# Allegro board FMDEMOD-before-back-annote.brd (continued)
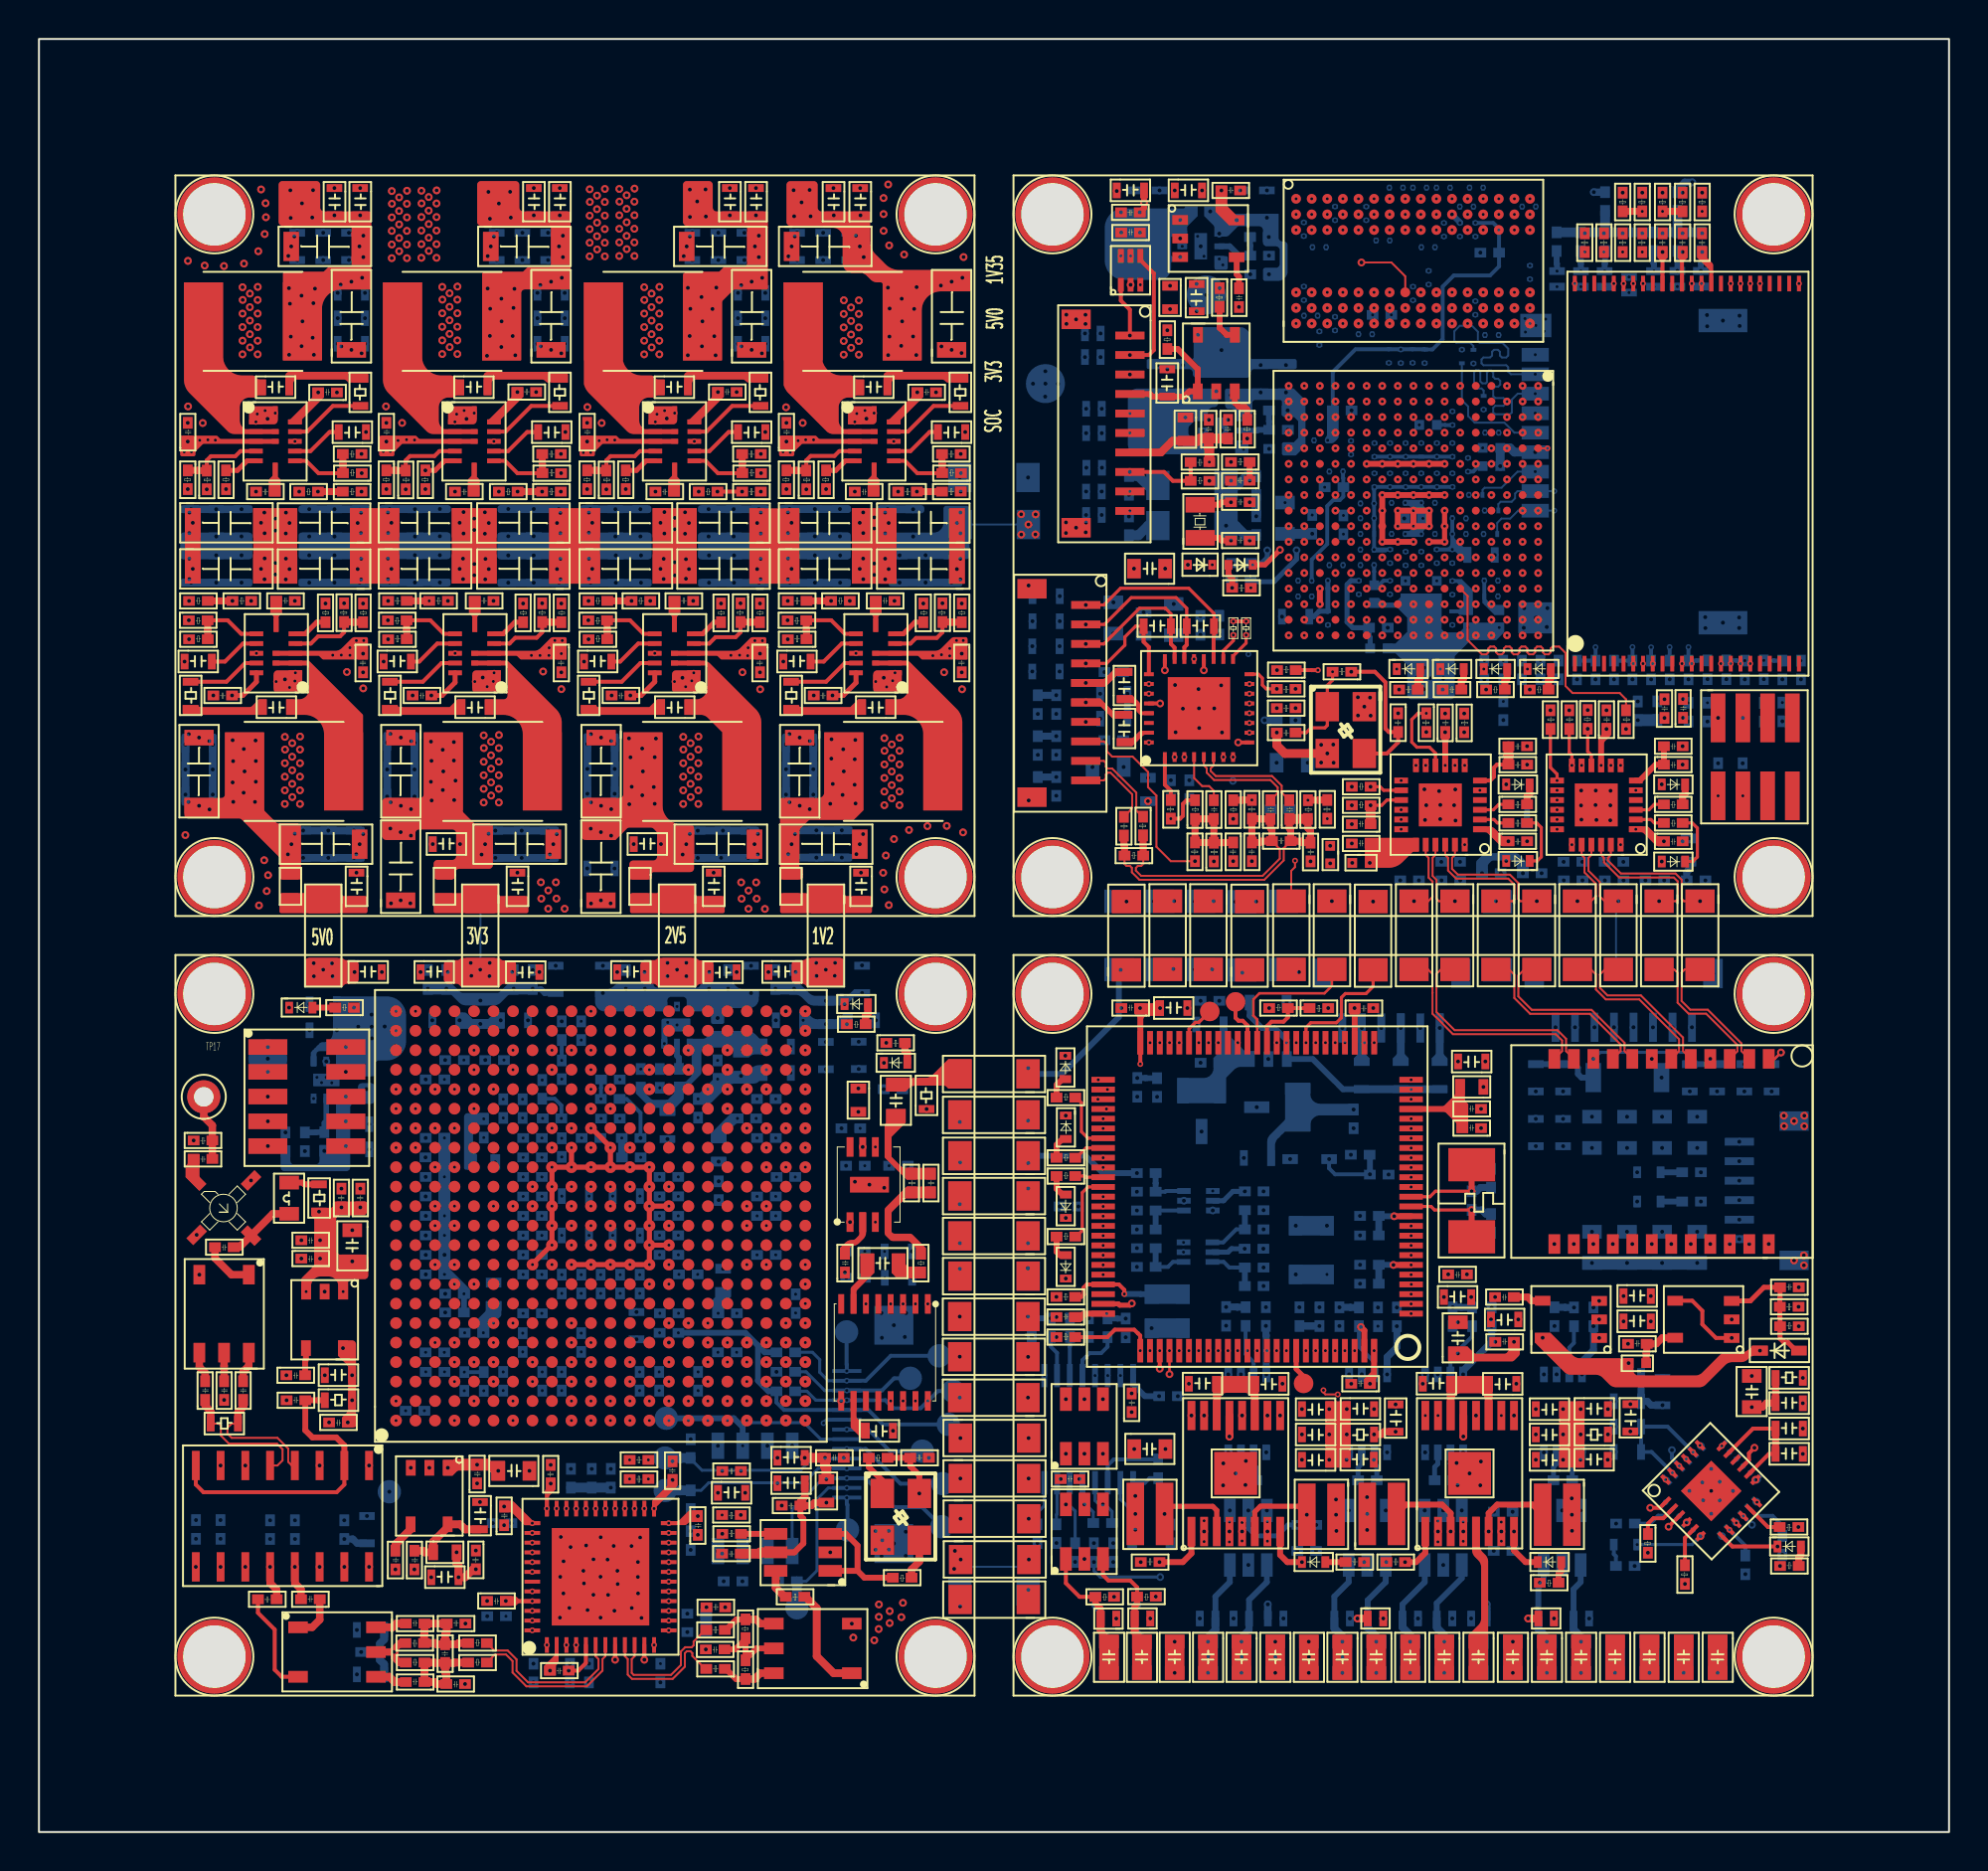
[diagram p0: board, top side]
## Copper pours and planes (outline as drawn; the poured copper is in the pictures) (continued)
NVCC_LCD on BOTTOM (solid shape): 74.26,63.25 74.56,62.95 75.17,62.95 75.17,62.45 74.67,62.45 74.06,63.06 74.06,64.35 74.26,64.35
PHY1_3V3 on TOP (solid shape): 82.47,51.6 82.55,51.58 82.61,51.54 83.01,51.14 83.08,51.1 83.15,51.08 83.67,51.08 83.67,50.58 83.08,50.58 83,50.6 82.94,50.64 82.34,51.24 82.27,51.28 82.2,51.3 81.58,51.3 81.58,51.6
PHY1_3V3 on PWR-L6: 77.59,48.78 77.59,47.55 86.89,47.55 86.89,49.1 82.62,49.1 82.33,49.39 82.33,50.27 82.6,50.55 82.61,50.54 83.53,50.54 83.77,50.79 83.77,51.36 83.24,51.89 78.41,51.89 78.41,51.47 78.3,51.36 78.3,49.49
PHY2_3V3 on TOP (solid shape): 70.8,50.31 70.58,50.31 70.51,50.29 70.44,50.25 69.96,49.77 69.63,49.55 69.25,49.48 68.03,49.48 68.03,50.45 68.02,50.47 68.02,50.99 68.03,51 68.04,51.01 70.8,51.01
PHY2_3V3 on TOP (solid shape): 74.37,51.6 74.56,51.56 74.72,51.45 75.03,51.14 75.1,51.1 75.17,51.09 75.69,51.09 75.69,50.59 75.08,50.59 75,50.6 74.94,50.64 74.34,51.24 74.27,51.28 74.2,51.3 73.58,51.3 73.58,51.6
PHY2_3V3 on BOTTOM (solid shape): 75.79,50.23 75.87,50.21 75.93,50.17 76.38,49.72 76.42,49.66 76.44,49.58 76.44,48.95 75.83,48.95 75.83,49.55 75.82,49.63 75.78,49.69 75.68,49.79 75.62,49.83 75.54,49.85 74.63,49.85 74.56,49.83 74.49,49.79 74.4,49.69 74.35,49.63 74.34,49.55 74.34,48.95 73.74,48.95 73.74,49.45 73.74,49.45 73.74,49.73 73.75,49.8 73.8,49.87 74.09,50.17 74.16,50.21 74.23,50.23
PHY2_3V3 on PWR-L6: 68.04,47.55 76.66,47.55 76.66,48.8 75.46,48.8 75.16,49.11 74.83,49.11 74.6,49.33 74.61,49.35 74.61,50.15 75.03,50.57 75.05,50.55 75.77,50.55 75.77,51.07 75.68,51.16 69.72,51.16 68.51,49.95 68.35,49.95
PT100-1 on BOTTOM (solid shape): 68.07,39.99 68.09,39.91 68.13,39.85 68.26,39.71 68.26,39.31 67.46,39.31 67.46,39.71 67.61,39.86 67.66,39.93 67.67,40 67.67,42 68.07,42
PT100-2 on BOTTOM (solid shape): 70.07,39.99 70.09,39.92 70.13,39.85 70.27,39.71 70.27,39.31 69.47,39.31 69.47,39.71 69.61,39.85 69.66,39.92 69.67,40 69.67,42 70.07,42
PT100-3 on BOTTOM (solid shape): 72.07,39.99 72.09,39.91 72.13,39.85 72.27,39.71 72.27,39.31 71.47,39.31 71.47,39.71 71.61,39.86 71.66,39.92 71.67,40 71.67,42 72.07,42
STEP1A_DRV1 on BOTTOM (solid shape): 86.64,7.82 85.64,7.82 85.64,10.12 86.64,10.12
STEP1A_DRV2 on BOTTOM (solid shape): 84.89,7.82 83.89,7.82 83.89,10.12 84.89,10.12
STEP1B_DRV1 on BOTTOM (solid shape): 81.37,7.82 80.37,7.82 80.37,10.12 81.37,10.12
STEP1B_DRV2 on BOTTOM (solid shape): 83.14,7.82 82.14,7.82 82.14,10.12 83.14,10.12
STEP2A_DRV1 on TOP (solid shape): 81.36,7.82 80.36,7.82 80.36,10.12 81.36,10.12
STEP2A_DRV2 on TOP (solid shape): 83.13,7.82 82.13,7.82 82.13,10.12 83.13,10.12
STEP2B_DRV1 on TOP (solid shape): 86.63,7.82 85.63,7.82 85.63,10.12 86.63,10.12
STEP2B_DRV2 on TOP (solid shape): 84.89,7.82 83.89,7.82 83.89,10.12 84.89,10.12
SWCLK on BOTTOM (solid shape): 59.03,25.35 56.73,25.35 56.73,26.35 59.03,26.35
SWDIO on BOTTOM (solid shape): 59.03,27.1 56.73,27.1 56.73,28.1 59.03,28.1
VCOM on TOP (solid shape): 26.66,8.75 26.64,8.68 26.6,8.61 26.52,8.53 26.52,8.03 25.92,8.03 25.92,8.53 26.4,9.01 26.44,9.08 26.46,9.15 26.46,10 26.66,10
VDPL1 on BOTTOM (solid shape): 35.5,27.45 35.21,27.16 35.16,27.09 35.15,27.02 35.15,26.37 34.55,26.37 34.55,27.22 34.56,27.29 34.61,27.36 34.7,27.45 34.7,27.95 35.5,27.95
VDPL2 on BOTTOM (solid shape): 23.07,36.29 22.47,36.29 22.33,36.23 22.27,36.09 22.27,35.06 22.28,34.98 22.33,34.92 22.46,34.78 22.46,33.98 21.91,33.98 21.84,34.01 21.81,34.08 21.81,36.69 21.87,36.83 22.01,36.89 23.07,36.89
VDPL3 on BOTTOM (solid shape): 23.73,26.57 23.71,26.5 23.67,26.43 23.16,25.92 23.12,25.86 23.1,25.78 23.1,25.37 22.5,25.37 22.5,26.23 22.52,26.31 22.56,26.37 22.87,26.68 22.91,26.75 22.93,26.82 22.93,27.24 23.73,27.24
VDPL4 on BOTTOM (solid shape): 36.14,36.36 35.87,36.36 35.79,36.35 35.73,36.31 35.33,35.91 35.29,35.84 35.27,35.77 35.27,35.35 34.47,35.35 34.47,35.85 35.46,36.83 35.49,36.86 35.53,36.86 36.14,36.86
VENET_3V3 on TOP (solid shape): 72.4,56.13 72.36,56.09 72.32,56.03 72.3,55.95 72.3,54.38 72,54.38 72,55.94 71.98,56.02 71.94,56.09 71.9,56.13 71.9,56.73 72.4,56.73
VENET_3V3 on TOP (solid shape): 80.67,56.3 80.36,55.98 80.32,55.92 80.3,55.84 80.3,54.38 80,54.38 80,56.04 80.02,56.12 80.06,56.18 80.12,56.24 80.16,56.3 80.17,56.38 80.17,56.9 80.67,56.9
VENET_3V3 on PWR-L6: 65.74,49.93 65.74,47.55 67.9,47.55 67.9,50.07 68.98,51.16 69.04,51.16 69.19,51.3 76.82,51.3 77.08,51.05 77.08,50.53 76.84,50.29 75.1,50.29 74.84,50.03 74.84,49.67 75.06,49.46 77.37,49.46 77.93,50.02 77.93,50.3 77.91,50.32 77.91,51.88 78.15,52.12 83.23,52.12 83.92,51.43 83.92,50.72 83.51,50.3 82.73,50.3 82.65,50.22 82.65,49.42 82.74,49.33 83.78,49.33 84,49.54 84,49.97 84.53,50.5 84.63,50.5 84.69,50.56 85.79,50.56 85.79,54.66 84.46,56 81.55,56 80.99,56.56 80.99,57.36 80.07,58.28 77.02,58.28 76.05,57.31 69.57,57.31 65.75,53.49 65.75,51.85 66.57,51.03 66.57,50.15 66.45,50.04 65.84,50.04
VMTR1 on TOP (solid shape): 67.3,18.7 66,18.7 66,22.1 67.3,22.1
VMTR1 on PWR-L6: 61.45,22.2 61.95,22.2 62.05,22.11 62.05,21.12 64.49,21.12 64.49,22.24 67.53,22.24 67.53,18.84 67.22,18.52 64.41,18.52 64.36,18.57 64.36,19.1 63.71,19.75 63.25,19.75 63.24,19.76 62.97,19.76 62.75,19.98 61.59,19.98 61.48,20.1 61.45,20.1 61.34,20.21 61.34,22.09
VMTR2 on TOP (solid shape): 79.3,18.7 78,18.7 78,22.1 79.3,22.1
VMTR2 on PWR-L6: 79.34,22.2 79.34,18.82 77.14,18.82 76.14,19.83 73.54,19.83 73.48,19.89 73.48,21.86 73.53,21.92 77.69,21.92 78.03,22.25 79.29,22.25
VREF_2V5 on BOTTOM (solid shape): 65.23,37.87 65.38,37.52 65.73,37.37 67.7,37.37 67.7,36.77 65.73,36.77 65.38,36.62 65.23,36.27 65.23,35.94 63.93,35.94 63.57,35.58 63.46,35.41 63.42,35.22 63.42,34.19 63.02,34.19 63.02,35.42 63.06,35.61 63.17,35.78 63.93,36.54 63.93,38.44 65.23,38.44
N01539 on TOP (solid shape): 62.6,22.6 62.58,22.58 62.58,20.62 62.18,20.62 62.18,22.24 62.09,22.45 61.88,22.54 60.93,22.54 60.72,22.45 60.63,22.24 60.63,20.62 60.23,20.62 60.23,22.53 60.22,22.57 60.2,22.6 60.2,23.4 62.6,23.4
N27735 on TOP (solid shape): 74.6,22.6 74.58,22.58 74.58,20.62 74.18,20.62 74.18,22.22 74.09,22.43 73.88,22.52 72.93,22.52 72.72,22.43 72.63,22.22 72.63,20.62 72.23,20.62 72.23,22.57 72.2,22.6 72.2,23.4 74.6,23.4
N57048 on BOTTOM (solid shape): 60.98,41.16 61.02,40.97 61.13,40.81 61.88,40.06 62.38,40.06 62.38,39.26 61.68,39.26 61.48,39.22 61.32,39.11 60.9,38.69 60.9,37.39 58.4,37.39 58.4,38.69 59.76,38.69 60.11,38.84 60.26,39.19 60.26,39.72 60.43,39.9 60.54,40.06 60.58,40.25 60.58,41.84 60.98,41.84
N57288 on BOTTOM (solid shape): 72.27,37.91 67.46,37.91 67.46,38.31 72.27,38.31
N4987405 on TOP (solid shape): 56.42,10.28 56.58,10.12 57.09,10.12 57.09,7.82 56.09,7.82 56.09,10.12 56.02,10.18 56.02,11.36 56.42,11.36
N4987412 on TOP (solid shape): 54.67,10.39 54.75,10.2 54.83,10.12 55.4,10.12 55.4,7.82 54.4,7.82 54.4,10.15 54.27,10.28 54.27,11.35 54.67,11.35
N6029558 on BOTTOM (solid shape): 57.09,7.82 56.09,7.82 56.09,10.12 57.09,10.12
N6029565 on BOTTOM (solid shape): 55.4,7.82 54.4,7.82 54.4,10.12 55.4,10.12
N6357472 on TOP (solid shape): 55.04,57.58 55.11,57.54 55.18,57.52 56.1,57.52 56.1,57.12 55.18,57.12 55.11,57.14 55.04,57.18 54.49,57.73 54.46,57.75 54.42,57.76 52.96,57.76 52.96,58.16 54.46,58.16
N6357497 on TOP (solid shape): 56.1,59.33 55.34,59.33 55.3,59.32 55.27,59.3 54.79,58.82 54.73,58.78 54.65,58.76 52.96,58.76 52.96,59.16 54.57,59.16 54.64,59.18 54.71,59.22 55.16,59.67 55.22,59.71 55.3,59.73 56.1,59.73
N7424382 on TOP (solid shape): 46.01,32.52 44.55,32.52 44.47,32.5 44.4,32.46 43.8,31.85 43.75,31.79 43.74,31.71 43.74,30.84 43.75,30.8 43.84,30.72 43.91,30.7 44.69,30.7 44.76,30.69 44.83,30.64 45.5,29.97 45.5,29.37 45,29.37 45,29.93 44.99,29.97 44.97,30 44.7,30.27 44.64,30.31 44.56,30.33 43.8,30.33 43.72,30.34 43.66,30.39 43.45,30.6 43.4,30.66 43.39,30.74 43.39,31.91 43.4,31.99 43.45,32.05 44.46,33.06 44.52,33.1 44.6,33.12 46.01,33.12
N7424390 on TOP (solid shape): 44.47,36.39 43.77,35.69 43.75,35.66 43.74,35.62 43.74,34.69 43.75,34.65 43.77,34.62 44.25,34.14 44.32,34.09 44.39,34.08 46.01,34.08 46.01,33.48 44.51,33.48 43.42,34.58 43.4,34.61 43.39,34.65 43.39,36.27 43.4,36.31 43.42,36.34 43.44,36.36 43.46,36.4 43.47,36.43 43.47,37.09 44.47,37.09
N7424630 on TOP (solid shape): 47.85,38.15 46.65,38.15 46.56,38.24 46.5,38.28 46.42,38.3 44.98,38.3 44.79,38.26 44.63,38.15 44.47,37.99 43.47,37.99 43.47,38.7 45.49,38.7 45.68,38.73 45.84,38.84 46.65,39.65 47.85,39.65
N7424650 on TOP (solid shape): 41.94,21.34 41.96,21.27 42,21.2 42.22,20.99 42.62,20.99 42.62,20.19 42.22,20.19 41.7,20.7 41.66,20.77 41.64,20.84 41.64,22.62 41.94,22.62
N7424654 on TOP (solid shape): 42.85,28.69 42,27.84 41.96,27.77 41.94,27.7 41.94,26.6 41.64,26.6 41.64,27.84 41.66,27.92 41.7,27.98 42.09,28.37 42.13,28.44 42.15,28.51 42.15,29.69 42.85,29.69
N7424662 on TOP (solid shape): 44.45,29.21 44.51,29.07 44.65,29.01 45.5,29.01 45.5,28.41 44.11,28.41 44.03,28.43 43.97,28.47 43.75,28.69 43.75,29.69 44.45,29.69
N7424742 on TOP (solid shape): 42.44,30.78 42.4,30.59 42.29,30.43 42.09,30.23 41.93,30.12 41.74,30.08 41.7,30.07 41.6,29.97 41.6,29.37 41.1,29.37 41.1,29.97 41.37,30.24 41.53,30.34 41.72,30.38 41.76,30.38 41.83,30.4 41.9,30.44 42.03,30.57 42.07,30.64 42.09,30.72 42.09,31.79 42.44,31.79
N7578654 on TOP (solid shape): 8.23,33.68 8.25,33.61 8.29,33.54 8.58,33.26 8.58,33.25 8.23,32.9 7.52,33.61 7.52,33.61 7.52,34.09 7.54,34.17 7.58,34.23 7.61,34.26 7.63,34.29 7.63,34.33 7.63,34.79 8.23,34.79
N8184327 on TOP (solid shape): 14.63,73.61 13.48,72.47 13.48,72.23 12.78,72.23 12.78,72.48 12.85,72.48 12.89,72.49 12.92,72.51 14,73.59 14.02,73.62 14.03,73.66 14.03,74.11 14.63,74.11
N8184729 on TOP (solid shape): 12.25,69.58 12.25,69.55 12.28,69.51 12.37,69.42 12.39,69.39 12.4,69.35 12.4,68.53 11.8,68.53 11.8,69.35 11.8,69.39 11.83,69.42 11.97,69.57 11.99,69.6 12,69.64 12,70.25 12.25,70.25
N8185024 on TOP (solid shape): 9.44,75.74 9.73,75.03 10.44,74.74 10.95,74.74 11.03,74.72 11.09,74.68 11.18,74.58 11.25,74.54 11.32,74.53 11.64,74.53 11.64,73.73 11.32,73.73 11.25,73.71 11.18,73.67 11.18,73.66 11.11,73.62 11.04,73.6 10.8,73.6 10.45,73.46 10.3,73.1 10.3,72.43 10.34,72.23 10.45,72.07 10.49,72.04 10.55,71.99 10.63,71.98 12.3,71.98 12.3,71.73 10.44,71.73 10.44,71.73 10.03,71.73 9.84,71.77 9.68,71.88 7.73,73.83 7.51,74.15 7.44,74.53 7.44,79.51 9.44,79.51
N8185070 on TOP (solid shape): 16.79,74.92 16.86,74.89 16.89,74.82 16.89,74.37 15.97,74.37 15.89,74.39 15.82,74.43 15.79,74.47 15.72,74.51 15.65,74.53 13.24,74.53 13.1,74.47 13.04,74.33 13.04,73.73 12.64,73.73 12.64,74.72 12.7,74.86 12.84,74.92
N8189538 on TOP (solid shape): 27.03,74.92 27.1,74.89 27.13,74.82 27.13,74.37 26.14,74.37 26.06,74.39 26,74.43 25.96,74.47 25.89,74.51 25.82,74.53 23.41,74.53 23.27,74.47 23.21,74.33 23.21,73.73 22.82,73.73 22.82,74.72 22.87,74.86 23.02,74.92
N8189634 on TOP (solid shape): 19.65,75.74 19.94,75.03 20.65,74.74 21.12,74.74 21.2,74.72 21.26,74.68 21.36,74.58 21.42,74.54 21.5,74.53 21.81,74.53 21.81,73.73 21.5,73.73 21.42,73.71 21.36,73.67 21.35,73.66 21.29,73.62 21.21,73.6 21.01,73.6 20.66,73.46 20.51,73.1 20.51,72.43 20.55,72.23 20.66,72.07 20.69,72.04 20.76,71.99 20.83,71.98 22.5,71.98 22.5,71.73 20.65,71.73 20.65,71.73 20.24,71.73 20.05,71.77 19.89,71.88 17.94,73.83 17.72,74.15 17.65,74.53 17.65,79.51 19.65,79.51
N8190068 on TOP (solid shape): 24.85,73.63 23.69,72.48 23.69,72.23 22.99,72.23 22.99,72.48 23.05,72.48 23.09,72.49 23.12,72.51 24.22,73.6 24.24,73.64 24.25,73.68 24.25,74.13 24.85,74.13
N8190080 on TOP (solid shape): 22.45,69.59 22.46,69.55 22.48,69.51 22.58,69.42 22.6,69.39 22.61,69.35 22.61,68.53 22,68.53 22,69.35 22.01,69.39 22.03,69.42 22.18,69.56 22.2,69.6 22.2,69.64 22.2,70.25 22.45,70.25
N8193329 on TOP (solid shape): 37.32,74.92 37.39,74.89 37.42,74.82 37.42,74.37 36.42,74.37 36.35,74.39 36.28,74.43 36.24,74.47 36.18,74.51 36.1,74.53 33.7,74.53 33.56,74.47 33.5,74.33 33.5,73.73 33.1,73.73 33.1,74.72 33.16,74.86 33.3,74.92
N8193425 on TOP (solid shape): 29.96,75.5 30.31,74.95 30.93,74.74 31.41,74.74 31.48,74.72 31.55,74.68 31.64,74.58 31.71,74.54 31.78,74.53 32.1,74.53 32.1,73.73 31.78,73.73 31.71,73.71 31.64,73.67 31.64,73.66 31.57,73.62 31.5,73.6 31.3,73.6 30.94,73.46 30.8,73.1 30.8,72.43 30.84,72.23 30.94,72.07 30.98,72.04 31.04,71.99 31.12,71.98 32.79,71.98 32.79,71.73 30.93,71.73 30.93,71.73 30.53,71.73 30.33,71.77 30.17,71.88 28.22,73.83 28.06,74.04 27.96,74.29 27.96,79.51 29.96,79.51
N8193859 on TOP (solid shape): 35.14,73.63 33.98,72.47 33.98,72.23 33.27,72.23 33.27,72.48 33.34,72.48 33.38,72.49 33.41,72.51 34.51,73.6 34.53,73.64 34.54,73.68 34.54,74.13 35.14,74.13
N8193871 on TOP (solid shape): 32.74,69.58 32.75,69.55 32.77,69.51 32.86,69.42 32.88,69.39 32.89,69.35 32.89,68.53 32.29,68.53 32.29,69.35 32.3,69.39 32.32,69.42 32.46,69.57 32.48,69.6 32.49,69.64 32.49,70.25 32.74,70.25
N8195611 on TOP (solid shape): 47.58,74.92 47.65,74.89 47.68,74.82 47.68,74.37 46.66,74.37 46.58,74.39 46.52,74.43 46.48,74.47 46.41,74.51 46.34,74.53 43.93,74.53 43.79,74.47 43.73,74.33 43.73,73.73 43.33,73.73 43.33,74.72 43.39,74.86 43.53,74.92
N8195707 on TOP (solid shape): 40.21,75.45 40.57,74.93 41.16,74.74 41.64,74.74 41.72,74.72 41.78,74.68 41.87,74.58 41.94,74.54 42.02,74.53 42.33,74.53 42.33,73.73 42.02,73.73 41.94,73.71 41.87,73.67 41.87,73.66 41.8,73.62 41.73,73.6 41.53,73.6 41.18,73.46 41.03,73.1 41.03,72.43 41.07,72.23 41.18,72.07 41.21,72.04 41.28,71.99 41.35,71.98 43.02,71.98 43.02,71.73 41.17,71.73 41.17,71.73 40.76,71.73 40.57,71.77 40.41,71.88 38.46,73.83 38.31,74.02 38.21,74.24 38.21,79.51 40.21,79.51
N8196141 on TOP (solid shape): 45.37,73.62 44.21,72.46 44.21,72.23 43.51,72.23 43.51,72.48 43.58,72.48 43.62,72.49 43.65,72.51 44.74,73.59 44.76,73.62 44.77,73.66 44.77,74.12 45.37,74.12
N8196153 on TOP (solid shape): 42.97,69.58 42.98,69.54 43,69.51 43.09,69.42 43.11,69.39 43.12,69.35 43.12,68.53 42.52,68.53 42.52,69.35 42.53,69.39 42.55,69.42 42.69,69.57 42.72,69.6 42.72,69.64 42.72,70.25 42.97,70.25
N8196998 on TOP (solid shape): 12.47,62.58 12.46,62.54 12.44,62.51 12.32,62.39 12.3,62.36 12.29,62.32 12.29,61.58 12.04,61.58 12.04,62.32 12.03,62.36 12.01,62.39 11.9,62.51 11.88,62.54 11.87,62.58 11.87,63.42 12.47,63.42
N8197008 on TOP (solid shape): 13.8,60.1 13.84,60.1 13.87,60.07 16.6,57.35 16.62,57.32 16.63,57.28 16.63,52.42 14.63,52.42 14.63,56.32 14.33,57.03 13.63,57.32 12.68,57.32 12.68,58.12 13.35,58.12 13.7,58.27 13.85,58.62 13.85,59.71 13.84,59.75 13.82,59.78 13.78,59.82 13.74,59.85 13.71,59.85 11.99,59.85 11.99,60.1
N8197018 on TOP (solid shape): 11.68,57.32 7.48,57.32 7.41,57.35 7.38,57.42 7.38,57.82 8.18,57.82 8.21,57.75 8.28,57.72 10.8,57.72 10.87,57.74 10.94,57.78 11.28,58.12 11.68,58.12
N8197078 on TOP (solid shape): 21.88,57.32 17.7,57.32 17.63,57.35 17.6,57.42 17.6,57.82 18.4,57.82 18.43,57.75 18.5,57.72 21.03,57.72 21.07,57.73 21.1,57.75 21.48,58.12 21.88,58.12
N8197098 on TOP (solid shape): 24,60.1 24.03,60.1 24.07,60.07 26.53,57.61 26.75,57.29 26.82,56.9 26.82,52.42 24.82,52.42 24.82,56.32 24.53,57.03 23.82,57.32 22.88,57.32 22.88,58.12 23.84,58.12 23.98,58.18 24.04,58.32 24.04,59.71 24.03,59.75 24.01,59.78 23.97,59.82 23.94,59.85 23.9,59.85 22.18,59.85 22.18,60.1
N8197182 on TOP (solid shape): 22.66,62.58 22.65,62.54 22.63,62.51 22.51,62.39 22.49,62.36 22.48,62.32 22.48,61.58 22.23,61.58 22.23,62.32 22.23,62.36 22.21,62.39 22.09,62.51 22.07,62.54 22.06,62.58 22.06,63.42 22.66,63.42
N8197222 on TOP (solid shape): 32.12,57.32 27.9,57.32 27.83,57.35 27.8,57.42 27.8,57.82 28.6,57.82 28.63,57.75 28.7,57.72 31.28,57.72 31.32,57.73 31.35,57.75 31.72,58.12 32.12,58.12
N8197242 on TOP (solid shape): 34.07,60.1 34.27,60.07 34.43,59.96 36.77,57.61 36.99,57.29 37.06,56.91 37.06,52.42 35.06,52.42 35.06,56.42 34.31,57.17 34.15,57.28 33.96,57.32 33.12,57.32 33.12,58.12 33.74,58.12 33.93,58.16 34.09,58.27 34.14,58.31 34.25,58.47 34.28,58.67 34.28,59.71 34.28,59.75 34.25,59.78 34.21,59.82 34.18,59.85 34.14,59.85 32.43,59.85 32.43,60.1
N8197326 on TOP (solid shape): 32.91,62.58 32.9,62.54 32.88,62.51 32.76,62.39 32.74,62.36 32.73,62.32 32.73,61.58 32.48,61.58 32.48,62.32 32.47,62.36 32.45,62.39 32.34,62.51 32.31,62.54 32.31,62.58 32.31,63.42 32.91,63.42
N8197366 on TOP (solid shape): 42.43,57.32 38.29,57.32 38.22,57.35 38.19,57.42 38.19,57.82 38.99,57.82 39.02,57.75 39.09,57.72 41.59,57.72 41.63,57.73 41.66,57.75 42.03,58.12 42.43,58.12
N8197386 on TOP (solid shape): 44.48,60.1 44.6,60.08 44.7,60.02 47.08,57.63 47.3,57.31 47.37,56.92 47.37,52.42 45.37,52.42 45.37,56.32 45.08,57.03 44.37,57.32 43.43,57.32 43.43,58.12 44.07,58.12 44.26,58.16 44.42,58.27 44.46,58.31 44.57,58.47 44.61,58.67 44.61,59.71 44.6,59.75 44.58,59.78 44.54,59.82 44.51,59.85 44.47,59.85 42.76,59.85 42.76,60.1
N8197470 on TOP (solid shape): 43.23,62.58 43.23,62.54 43.2,62.51 43.08,62.39 43.06,62.36 43.05,62.32 43.05,61.58 42.8,61.58 42.8,62.33 42.8,62.36 42.78,62.4 42.66,62.51 42.64,62.54 42.63,62.58 42.63,63.42 43.23,63.42

Small or netless copper shapes (teardrops, artwork), in the pictures only: 24 on TOP, 50 on BOTTOM, 5 on SIGNAL-L3, 2 on SIGNAL-L4, 9 on PWR-L6

## Text on the board
User.Comments: V-CUTx4 FOR SMT | V-CUTx2 FOR BREAK
Ref Des/Silkscreen Top: 5V0 | 3V3 | 2V5 | 1V2 | SOC | 1V35
XSECTION_CHART: *  SURFACE - AIR 0 MM(+0/-0) | L1 TOP CONDUCTOR - COPPER 0.0175 MM(+0/-0) NOT_EMBEDDED | *  DIELECTRIC - FR-4 0.09785 MM(+0/-0) | L2 GND-L2 CONDUCTOR - COPPER 0.035 MM(+0/-0) NOT_EMBEDDED | *  DIELECTRIC - FR-4 0.1299 MM(+0/-0) | L3 SIGNAL-L3 CONDUCTOR - COPPER 0.035 MM(+0/-0) NOT_EMBEDDED | *  DIELECTRIC - FR-4 0.1759 MM(+0/-0) | L4 SIGNAL-L4 CONDUCTOR - COPPER 0.035 MM(+0/-0) NOT_EMBEDDED | L5 GND-L5 CONDUCTOR - COPPER 0.035 MM(+0/-0) NOT_EMBEDDED | *  DIELECTRIC - FR-4 0.1829 MM(+0/-0) | L6 PWR-L6 CONDUCTOR - COPPER 0.035 MM(+0/-0) NOT_EMBEDDED | L7 SIGNAL-L7 CONDUCTOR - COPPER 0.035 MM(+0/-0) NOT_EMBEDDED | L8 SIGNAL-L8 CONDUCTOR - COPPER 0.035 MM(+0/-0) NOT_EMBEDDED | L9 GND-L9 CONDUCTOR - COPPER 0.035 MM(+0/-0) NOT_EMBEDDED | L10 BOTTOM CONDUCTOR - COPPER 0.0175 MM(+0/-0) NOT_EMBEDDED | DESIGN CROSS SECTION CHART | ___________________________ | TOTAL THICKNESS 1.565 MM | 1-4 | 1-10 | 1-2 | 1-3 | 1-6 | 1-7 | 1-8 | 3-10 | 4-10 | 6-10 | 7-10 | 8-10 | 9-10
User.7: FIGURE | FINISHED_SIZE | 0.15 | 0.2 | 1.0 | 3.2 | DRILL CHART: TOP to BOTTOM | ALL UNITS ARE IN MILLIMETERS | PLATED | QTY | 1 | 320 | 16
User.8: FIGURE | FINISHED_SIZE | 0.15 | 0.2 | DRILL CHART: SIGNAL-L8 to BOTTOM | ALL UNITS ARE IN MILLIMETERS | PLATED | QTY | 21 | 41
User.9: FIGURE | FINISHED_SIZE | 0.15 | 0.2 | DRILL CHART: TOP to SIGNAL-L4 | ALL UNITS ARE IN MILLIMETERS | PLATED | QTY | 134 | 68
User.10: FIGURE | FINISHED_SIZE | 0.15 | 0.2 | DRILL CHART: GND-L9 to BOTTOM | ALL UNITS ARE IN MILLIMETERS | PLATED | QTY | 169 | 394
User.11: FIGURE | FINISHED_SIZE | 0.15 | 0.2 | DRILL CHART: TOP to GND-L2 | ALL UNITS ARE IN MILLIMETERS | PLATED | QTY | 186 | 380
User.12: FIGURE | FINISHED_SIZE | 0.15 | 0.2 | DRILL CHART: TOP to PWR-L6 | ALL UNITS ARE IN MILLIMETERS | PLATED | QTY | 212 | 443
User.13: FIGURE | FINISHED_SIZE | 0.15 | 0.2 | DRILL CHART: TOP to SIGNAL-L3 | ALL UNITS ARE IN MILLIMETERS | PLATED | QTY | 171 | 90
User.14: FIGURE | FINISHED_SIZE | 0.15 | 0.2 | DRILL CHART: PWR-L6 to BOTTOM | ALL UNITS ARE IN MILLIMETERS | PLATED | QTY | 166 | 265
User.15: FIGURE | FINISHED_SIZE | 0.15 | 0.2 | DRILL CHART: SIGNAL-L3 to BOTTOM | ALL UNITS ARE IN MILLIMETERS | PLATED | QTY | 15 | 42
User.16: FIGURE | FINISHED_SIZE | 0.15 | 0.2 | DRILL CHART: SIGNAL-L4 to BOTTOM | ALL UNITS ARE IN MILLIMETERS | PLATED | QTY | 10 | 42
User.17: FIGURE | FINISHED_SIZE | 0.15 | 0.2 | DRILL CHART: TOP to SIGNAL-L7 | ALL UNITS ARE IN MILLIMETERS | PLATED | QTY | 129 | 12
User.18: FIGURE | FINISHED_SIZE | 0.15 | 0.2 | DRILL CHART: TOP to SIGNAL-L8 | ALL UNITS ARE IN MILLIMETERS | PLATED | QTY | 78 | 21
User.19: FIGURE | FINISHED_SIZE | 0.15 | 0.2 | DRILL CHART: SIGNAL-L7 to BOTTOM | ALL UNITS ARE IN MILLIMETERS | PLATED | QTY | 34 | 30
User.20: FIGURE | FINISHED_SIZE | 0.15 | 0.2 | DRILL CHART: TOP to GND-L9 | ALL UNITS ARE IN MILLIMETERS | PLATED | QTY | 4 | 77
User.21: FIGURE | FINISHED_SIZE | 0.2 | DRILL CHART: GND-L2 to BOTTOM | ALL UNITS ARE IN MILLIMETERS | PLATED | QTY | 27
User.22: FIGURE | FINISHED_SIZE | 0.15 | 0.2 | DRILL CHART: TOP to GND-L5 | ALL UNITS ARE IN MILLIMETERS | PLATED | QTY | 1 | 3
